# Altium PCB LimePSB-RPCM_1v5.PcbDoc (part 11 of 12) (continued)
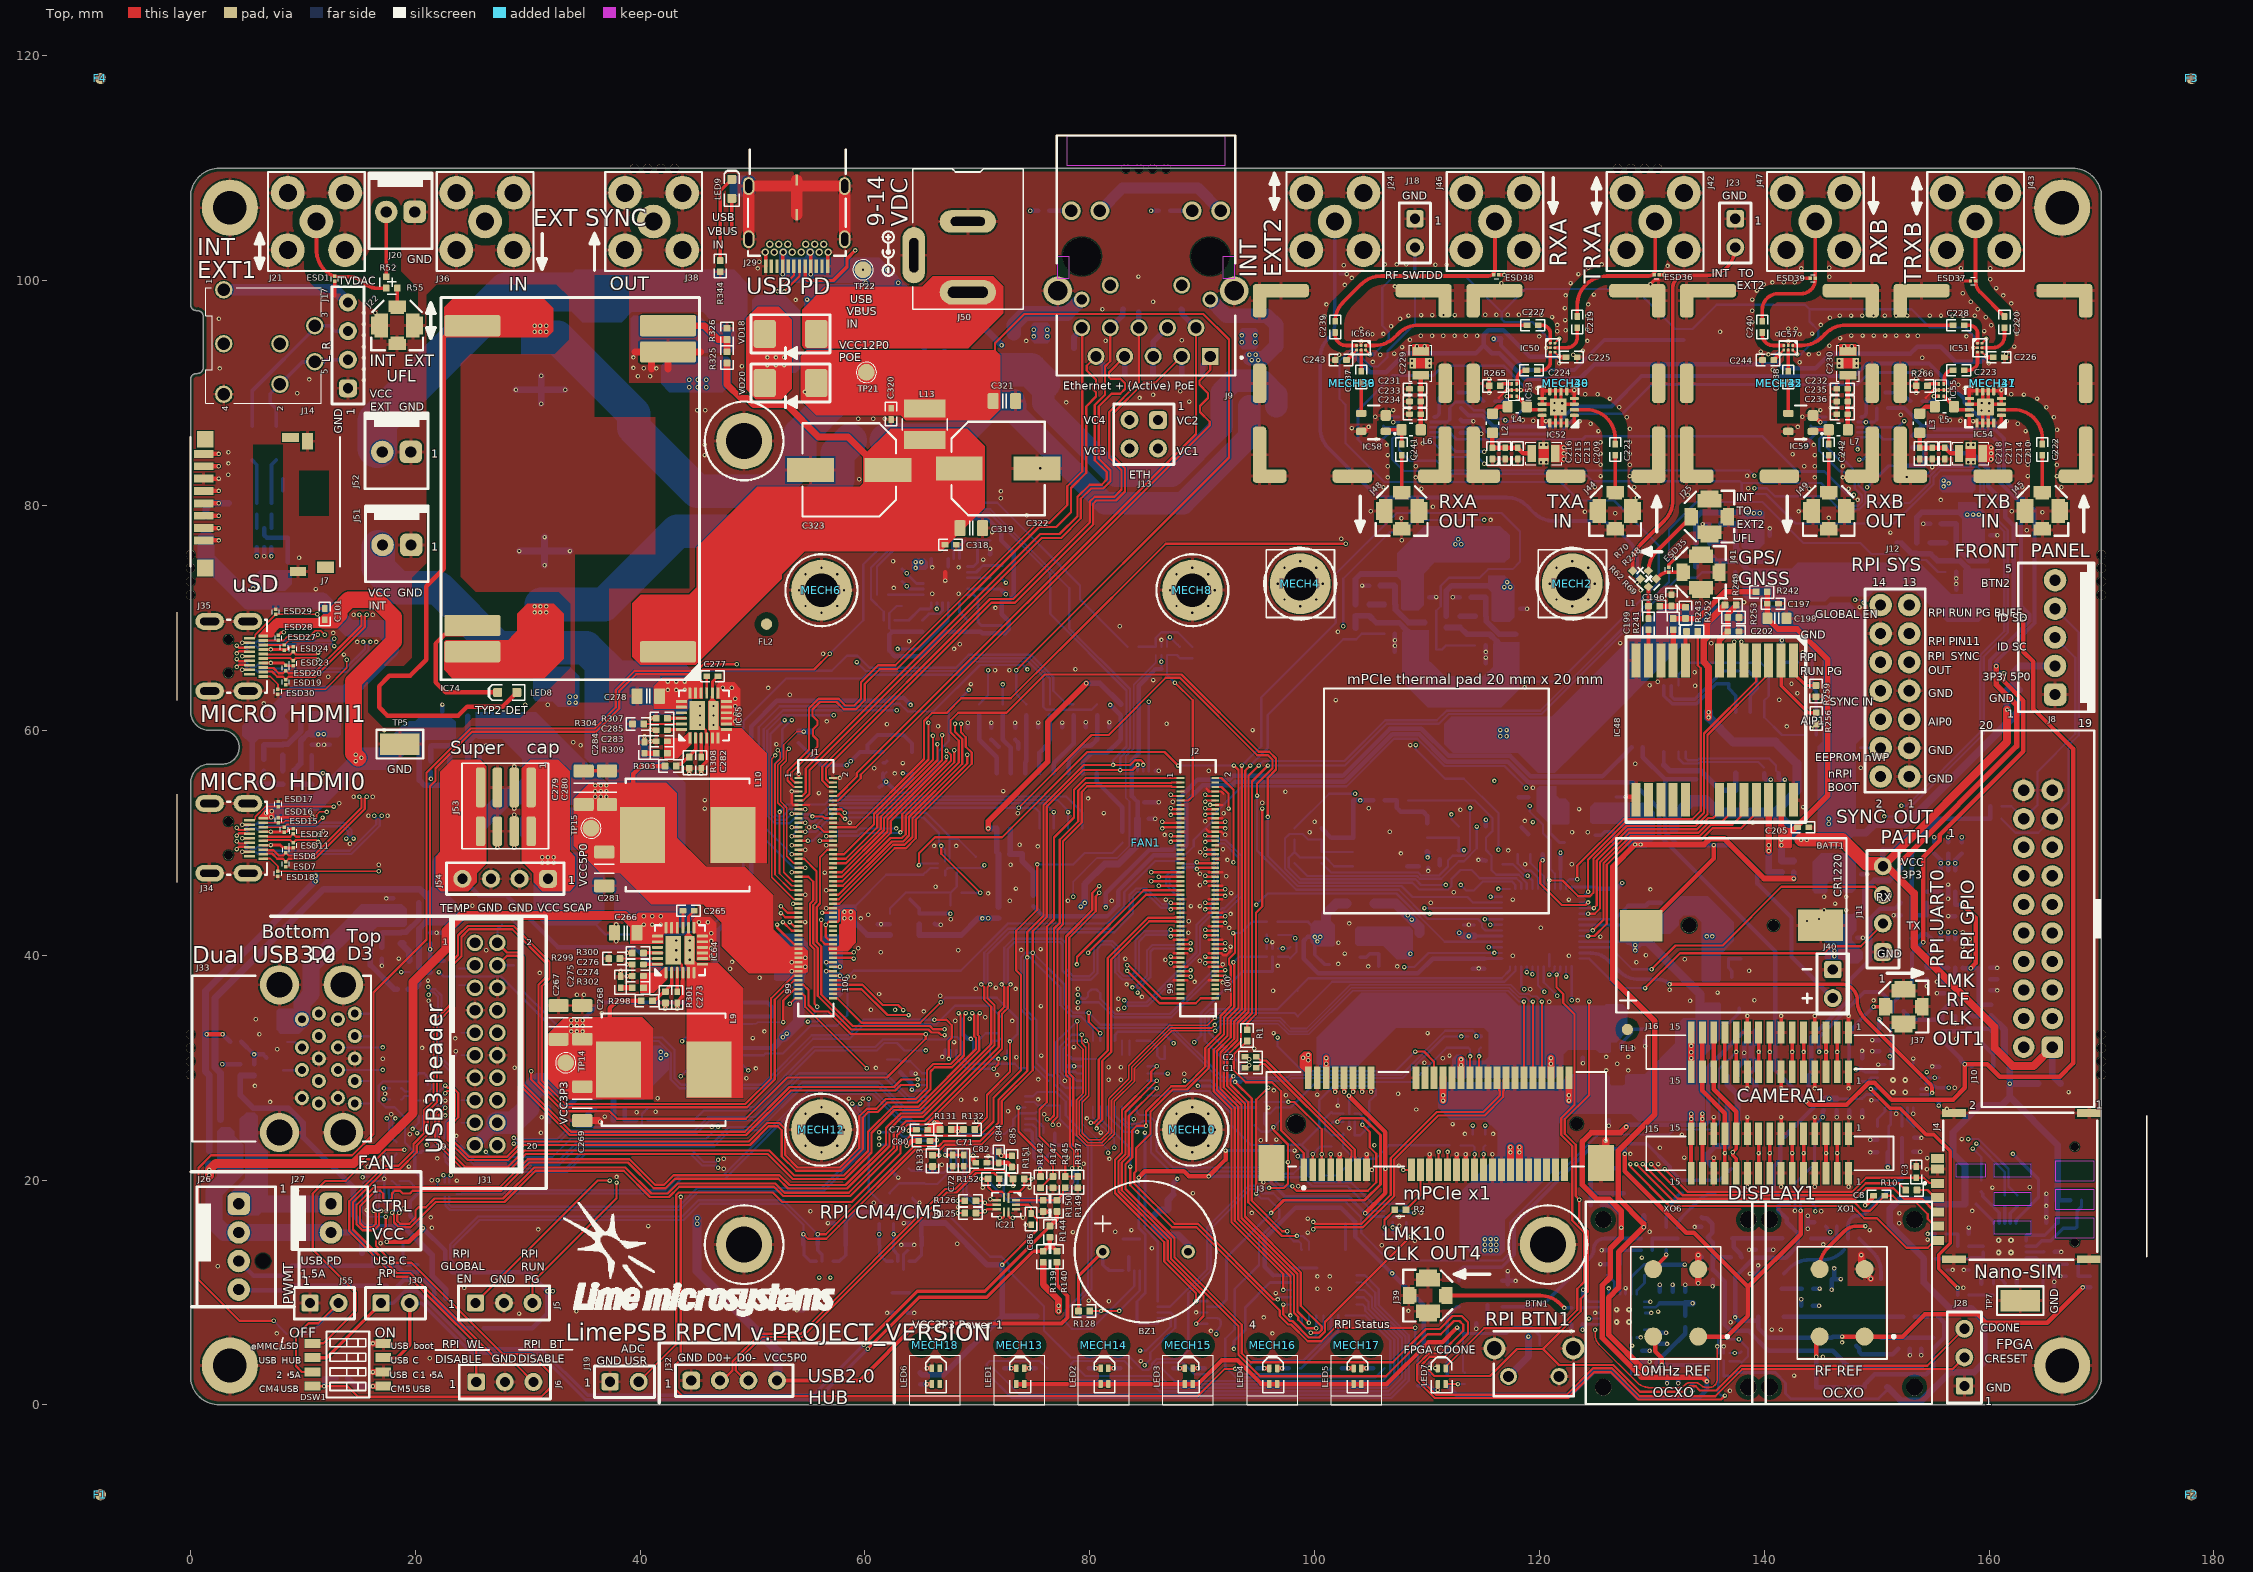
[diagram p0: Top view]
## Other copper (continued)
  pour cut-out: 127.231,76.694 127.356,76.569 cw(c125.56,74.773) 128.1,74.773 128.1,73.225 ccw(c128.7,73.225) 128.7,72.625 ccw(c128.7,73.175) 129.25,73.175 129.25,75.348 ccw(c126.71,75.348) 128.506,77.144 128.094,77.556
  region net VCC3P3: 6.152,74.252 5.35,73.45 5.35,72.55 5.475,72.425 8.425,72.425 9,73 9,74.252
  pour cut-out: 128.1,72.925
  pour cut-out: 29.1,69.75 30.025,68.825 39.525,68.825 45.4,74.7 53.598,74.7 60.573,81.675 76.575,81.675 80.225,78.025 89.225,78.025 97.9,86.7 97.9,91.025 95.775,93.15 92.65,93.15 90.408,90.908 90.408,88.175 86.404,84.171 83.529,84.171 77.9,89.799 77.9,92.975 76.775,94.1 68.5,94.1 66.294,91.894 56.852,91.894 49.129,84.171 46.854,84.171 33.85,97.175 28.975,97.175 28.375,96.575 28.375,92.9 29.05,92.225 31.8,92.225 35.738,88.288 35.737,76.113 33.975,74.35 29.85,74.35 29.1,73.6
  region net POE_IN+: 29.4,93.45 29.4,96 29.85,96.45 32.025,96.45 33.075,95.4 33.075,94.175 32.35,93.45
  region net VCC5P0_USBS: 9.675,33.025 10.55,33.9 10.55,34.8 10.1,35.25 7.85,35.25 7.65,35.05 7.65,33.35 7.975,33.025
  region net VCC5P0: 21.013,44.193 21.013,45.613 21.788,46.388 21.912,46.388 23.898,44.402 23.898,44.211
  region net VCC3P3: 129.5,40.9 129.15,40.9 128.8,40.55 128.8,40.3 128.725,40.225 128.425,40.225 128.25,40.4 128.25,40.7 128.05,40.9 128.05,41.05 129.35,41.05
  region net VCC1P2: 134.425,42 134.425,42.95 133.8,43.575 132.85,43.575 132.375,43.1 132.375,42.675 131.625,41.925 130.2,41.925 129.125,43 128.9,43 128.9,43.6 130.875,43.6 132.525,45.25 134.975,45.25 137.3,42.925 137.3,42.025
  region net VCC3P3_CLK2: 129.65,53.325 130.275,52.7 130.275,50.35 129.5,49.575 129.5,53.175
  region net VCC5P0: 121.375,56.225 123.225,58.075 122.95,58.35 117.975,58.35 117.975,58.1 119.85,56.225
  region net VCC3P3_CLK2: 129.65,51.2 129.65,49.725 129.5,49.575 128,49.575 127.613,49.962 127.613,51.087 127.725,51.2
  region net NetC296_2: 121.5,55.025 121.5,54.225 121.85,53.875 121.85,53.3 120.55,52 119.763,52.787 119.763,54.788 120,55.025
  region net VCC3P3: 136.15,34.45 136.15,32.575 134.65,31.075 133.05,31.075 132.1,32.025 132.1,33.725 132.788,34.413
  region net VCC2P5: 103.8,40.825 103.625,41 103.625,42.375 103.775,42.525 108.45,42.525 108.75,42.225 108.75,39.95 108.45,39.65 107.3,39.65 106.125,40.825
  region: 104.05,39.825
  region net VCC3P3: 101.775,40.9 101.675,40.8 100,40.8 99.65,41.15 99.65,42.725 99.975,43.05 101.425,43.05 101.775,42.7
  region net NetC296_2: 122.675,51.75 122.575,51.65 120.9,51.65 120.55,52 120.55,53.575 120.875,53.9 122.325,53.9 122.675,53.55
  region net NetIC71_3: 124.95,50.675
  region net VCC3P3_CLK2: 124.7,51.675 124.525,51.85 124.525,53.225 124.875,53.575 129.4,53.575 129.65,53.325 129.65,51.2 128.95,50.5 128.2,50.5 127.025,51.675
  region net VCC3P3: 136.05,35.75 136.15,35.65 136.15,33.975 135.8,33.625 134.225,33.625 133.9,33.95 133.9,35.4 134.25,35.75
  region net NetIC67_3: 137.125,38.025
  region net VCC1P2: 136.125,37.775 135.95,37.6 134.575,37.6 134.425,37.75 134.425,42 135.15,42.725 136.6,42.725 137.3,42.025 137.3,41.275 136.125,40.1
  region net VCC3P3_CLK: 146.562,39.6 147.2,39.6 147.5,39.3 148.375,39.3 148.775,39.7 148.775,40.325 147.55,41.55 147.275,41.55 146.562,40.837
  region net NetC47_2: 6.175,23.225 6,23.4 6,25.725 5.725,26 4.95,26 4.4,25.45 4.4,23.65 4.875,23.175 4.875,23 5.95,23
  region net VCC5P0: 38.325,31.562 38.688,31.925 41.825,31.925 42.525,31.225 42.525,29.8 41.21,28.485 39.315,28.485 38.325,29.475
  region net VCC5P0: 38.325,31.562 38.325,28.725 38.035,28.435 38.485,27.985 40.71,27.985 41.21,28.485 41.21,29.585 39.233,31.562
  region net VCC5P0_USB3H: 36.535,28.035 36.385,27.885 33.91,27.885 33.562,27.537 32.437,27.537 32.437,29.037 33.285,29.885 36.11,29.885 36.535,29.46
  region net VCC5P0_USB3H: 37.612,30.537 37.275,30.537 36.535,29.797 36.535,29.46 33.71,29.46 33.285,29.885 33.285,30.697 33.425,30.837 33.9,30.837 35.2,32.137 37.35,32.137 37.925,31.562 37.925,30.85
  region net USB_VBUS_IN: 33.725,65.65 34.575,64.8 34.575,62.35 34.35,62.125 32.675,62.125 32.2,62.6 30.725,62.6 30.475,62.85 30.475,64.575 31.55,65.65
  region net USB_VBUS_IN: 65.575,75 65.325,75.25 64.4,75.25 64.175,75.025 64.175,74.375 64.35,74.2 64.6,74.2 64.7,74.3 65.425,74.3 65.575,74.45
  region net USB_VBUS_IN: 52.375,100.6 53.15,99.825 59.625,99.825 60.375,99.075 60.375,97.7 61.925,96.15 64.975,96.15 65.675,96.15 65.825,96.3 65.825,97.475 64.575,98.725 61.25,102.05 55.775,102.05 55.5,102.325 55.5,102.65 55.275,102.875 54.95,102.875 54.775,102.7 54.775,102.25 54.575,102.05 53.375,102.05 53.1,102.325 53.1,102.65 52.875,102.875 52.575,102.875 52.375,102.675
  region net VCC_SCAP: 33.738,49.1 33.113,49.725 30.075,49.725 29.625,49.275 29.625,48.35 30.55,47.425 30.55,43.65 30.975,43.225
  region net NetF10_2: 29.325,50.65 29.325,52.225 30.225,53.125 36.75,53.125 37.275,52.6 37.275,50.325 36.35,49.4 33.75,49.4 32.875,50.275 29.7,50.275
  region net VCC_SCAP: 30.975,48.85 30.975,43.225 31.525,42.675 36.134,42.675 36.8,43.341 36.8,48.55 36.25,49.1 31.225,49.1
  region net VCC3P3: 127.8,29.425 128.725,29.425 128.925,29.225 128.925,26.65 128.175,25.9 125.9,25.9 125.075,26.725 125.075,29.075 125.4,29.4 126.05,29.4 126.25,29.2 126.25,28.55 126.425,28.375 127.425,28.375 127.625,28.575 127.625,29.275 127.775,29.425
  region net VCC3P3: 10.5,61.723 10.5,60.113 10.21,59.823 10.66,59.373 12.885,59.373 13.385,59.873 13.385,60.973 12.635,61.723
  region net VCC3P3: 111,26.45 112.075,25.375 115.2,25.375 116.275,24.3 116.275,22.25 112.9,18.875 112.9,14.475 114.05,13.325 116.575,13.325 116.912,13.662 116.913,16.463 121.7,21.25 121.7,25.025 123.65,26.975 123.65,28.1 123.05,28.7 111.5,28.7 111,28.2
  region net VCC3P3: 125.9,25.9 121.825,25.9 121.175,26.55 121.175,27.925 122.65,29.4 125.4,29.4 125.9,28.9
  region net VCC3P3: 128.175,25.9 128.85,25.225 134.625,25.225 134.7,25.3 134.7,31.275 133.825,32.15 132.1,32.15 129.375,29.425 128.725,29.425 128.175,28.875
  region net VCC3P3: 56.425,43 56.425,43.575 56.75,43.9 57.325,44.475 59.2,44.475 59.225,44.45 59.225,43.125 59.1,43
  region net VCC3P3: 12.323,59.373 13.148,59.373 13.385,59.61 13.385,60.435
  pour cut-out: 15.95,88.925
  region net ETH_VC2: 93.5,95.76 93.325,95.585 93.325,94.16 93.575,93.91 94.775,93.91 94.95,94.085 94.95,95.585 94.775,95.76
  region net ETH_VC3: 75,96.275 74.825,96.1 74.825,94.675 75.075,94.425 76.275,94.425 76.45,94.6 76.45,96.1 76.275,96.275
  region net VCC5P0: 28.5,54.75 29.775,56.025 29.9,56.025 30.025,55.9 30.025,54.15 29.1,54.15
  region net NetF9_2: 49.975,92.15 50.325,91.8 53.825,91.8 54.225,92.2 54.225,97.325 52.85,98.7 50.35,98.7 49.975,98.325
  region net VCC5P0: 145.878,65.947 143.5,68.325 133.475,68.325 123.175,58.025 112.275,58.025 111.55,58.75 111.55,60.575 112.175,61.2 121.075,61.2 130.975,71.1 145.904,71.1
  region net VCC5P0: 146.975,49.65 148.125,50.8 148.125,58.75 148.9,59.525 148.9,70.075 147.625,71.35 145.85,71.35 143.985,69.485 143.985,67.29 144.35,66.925 144.9,66.925 145.225,66.6 145.225,59.025 144.775,58.575 144.775,50.35 145.475,49.65
  region net VCC_FAN: 2.375,23.475 2.375,24.325 2.725,24.675 3.55,24.675 3.875,24.35 3.875,23.925 3.425,23.475
  region net VCC1P5: 125.575,31.6 122.575,31.6 122.125,31.15 122.125,29.775 121.4,29.05 112.4,29.05 112.225,29.225 112.225,30.775 112.6,31.15 113.05,31.15 113.575,30.625 115.15,30.625 115.475,30.95 115.475,33.125 115.05,33.55 107.25,33.55 103.7,30 100.525,30 100.2,30.325 100.2,32.7 104.15,36.65 117.025,36.65 118.175,35.5 125.775,35.5 125.9,35.625 125.9,31.925
  region net VCC1P5: 126.775,33.975
  region net GND: 47.95,107.525 50.025,107.525 50.225,107.725 50.225,109.125 50,109.35 47.95,109.35
  region net VCC5P0: 29.5,57.435 29.5,53.5 29.6,53.4 36.875,53.4 37.2,53.725 37.2,55.175 30.752,61.623 27.51,61.623 27.51,59.425
  region net VCC3P3_RPI: 56.275,40.525 56.275,41.65 56.425,41.8 57.925,41.8 58.025,41.7 58.025,40.575 57.975,40.525
  region net VCC3P3_RPI: 56.275,39.275 56.625,38.925 57.025,38.925 57.2,38.75 57.9,38.75 58.025,38.875 58.025,40.575 57.8,40.8 56.55,40.8 56.275,40.525
  region net VCC1P8_RPI: 56.45,38.775 56.275,38.6 56.275,36.55 56.55,36.275 57.75,36.275 58.025,36.55 58.025,38.3 57.825,38.5 57.1,38.5 56.825,38.775
  region net VCC5P0: 52.05,37.725 54.15,37.725 54.9,38.475 54.9,41.125 54.1,41.925 52.075,41.925 51.95,41.8 51.95,37.825
  region net VCC_INT: 37.775,49.525 37.775,54.875 35.075,57.575 35.075,65.4 35.875,66.2 40.4,66.2 43.725,66.2 44.6,65.325 44.6,62.175 43.825,61.4 40.675,61.4 40.075,60.8 40.075,59.3 44.025,55.35 44.025,48.837 38.462,48.837
  region net VCC_INT: 37.701,43.125 38.45,43.125 39.1,42.475 43.95,42.475 44.85,43.375 44.85,48.013 42.362,50.5 37.9,50.5 37.726,50.326
  region net VCC5P0_RXA_LNA: 109.698,73.94 110.706,74.948 116.927,74.948 117.35,75.371 117.35,77.35 116.525,78.175 109.75,78.175 107.35,75.775 107.35,74.788
  region net VCC5P0_RFA: 110.148,66.765 110.148,65.823 109.75,65.425 108.275,65.425 107.798,65.902 107.798,66.515
  region net VCC5P0_RFA: 107.798,66.515 107.798,64.327 110.05,62.075 116.625,62.075 118.225,63.675 118.225,65.725 115.925,65.725 115,64.8 111.575,64.8 109,67.375 108.56,67.375 107.85,66.665
  region net VCC5P0_RXB_LNA: 158.775,81.4 158.775,82.425 158.55,82.65 155.9,82.65 155.55,82.3 155.55,81.475 155.85,81.175 158.55,81.175
  region net VCC5P0_RFB: 138.085,71.987 138.572,71.5 145.425,71.5 145.875,71.95 149.3,71.95 149.725,72.375 153.5,72.375 156.225,69.65 159.075,69.65 160.073,70.648 160.073,72.265 157.815,72.265 157.65,72.1 156.625,72.1 153.825,74.9 142.975,74.9 142.447,74.372 139.357,74.372 138.085,73.1
  region net VCC3P3_SD: 8.71,59.423 8.56,59.273 6.085,59.273 5.737,58.925 5.225,58.925 4.612,59.538 4.612,60.425 5.46,61.273 8.285,61.273 8.71,60.848
  region net VCC1P5: 126.35,31.425 126.35,32.15 126.475,32.275 126.875,32.275 127.825,33.225 127.825,35.225 127.425,35.625 125.9,35.625 125.45,35.175 125.45,33.2 125.025,32.775 125.025,31.6 125.3,31.325 126.25,31.325
  region net VCC3P3_CLK: 146.875,43.525 146.875,42.8 146.75,42.675 146.35,42.675 145.4,41.725 145.4,39.725 145.525,39.6 147.6,39.6 147.775,39.775 147.775,41.75 148.2,42.175 148.2,43.35 147.925,43.625 146.975,43.625
  region net NetC287_2: 145.425,45.525 144.5,45.525 144.3,45.725 144.3,48.3 145.05,49.05 147.325,49.05 148.15,48.225 148.15,45.875 147.825,45.55 147.175,45.55 146.975,45.75 146.975,46.4 146.8,46.575 145.8,46.575 145.6,46.375 145.6,45.675 145.45,45.525
  region net VCC_FAN: 2.5,18.35 4.675,20.525 4.675,23.125 3.875,23.925 3.125,23.925 3.125,20.25 2.5,19.625
  region net NetC47_2: 5.1,23.225 4.875,23 4.875,20.175 3.3,18.6 3.3,16.95 3.375,16.875 6.05,16.875 6.875,17.7 6.875,22.525 6.175,23.225
  region net VCC_INT: 48.1,92.925 48.1,90.875 47.325,90.1 42.6,90.1 41.875,90.825 41.875,92.45 42.65,93.225 47.8,93.225
  region net NetFR15_1: 39.15,96.65 39.15,93.8 39.35,93.6 42.5,93.6 48.075,93.6 48.45,93.975 48.45,95.525 47.8,96.175 45.95,96.175 45.25,96.875 39.375,96.875
  region net VCC_EXT: 49.525,96.5 46.3,96.5 45.575,97.225 39.25,97.225 38.35,96.325 34.85,96.325 33.7,97.475 33.7,100.45 34.225,100.975 48.35,100.975 49.525,99.8
  region net VCC5P0_HDMI: 23.585,59.323 23.435,59.173 20.96,59.173 20.612,58.825 19.487,58.825 19.487,60.325 20.335,61.173 23.16,61.173 23.585,60.748
  region net VCC5P0: 25.375,61.623 25.375,60.013 25.085,59.723 25.535,59.273 27.76,59.273 28.26,59.773 28.26,60.873 27.51,61.623
  region net VCC_USB_PD: 54.6,99.2 54.6,94.075 55.4,93.275 56.5,93.275 60.15,96.925 60.15,99.075 59.525,99.7 55.1,99.7
  region net VCC5P0: 21.013,44.998 21.013,43.388 20.723,43.098 21.173,42.648 23.398,42.648 23.898,43.148 23.898,44.248 23.148,44.998
  region net VCC5P0_USBS: 19.223,42.698 19.073,42.548 16.598,42.548 16.25,42.2 14.475,42.2 14.475,43.825 15.198,44.548 18.798,44.548 19.223,44.123
  region net VCC5P0_RFA: 118.225,67.86 116.615,67.86 116.325,68.15 115.875,67.7 115.875,65.475 116.375,64.975 117.475,64.975 118.225,65.725
  region net VCC5P0_TXB_PA: 157.773,76.19 157.623,76.34 157.623,78.815 157.275,79.163 157.275,80.288 158.775,80.288 159.623,79.44 159.623,76.615 159.198,76.19
  region net VCC5P0_RFB: 160.073,74.4 158.463,74.4 158.173,74.69 157.723,74.24 157.723,72.015 158.223,71.515 159.323,71.515 160.073,72.265
  region net VCC5P0_RFB: 140.435,74.372 138.825,74.372 138.535,74.663 138.085,74.213 138.085,71.987 138.585,71.487 139.685,71.487 140.435,72.237
  region net VCC5P0_RXB_LNA: 138.135,76.162 137.985,76.312 137.985,78.788 137.637,79.136 137.637,79.65 139.748,79.65 139.985,79.413 139.985,76.587 139.56,76.162
  region net VCC5P0_TXA_PA: 115.925,69.65 115.775,69.8 115.775,72.275 115.427,72.623 115.427,73.748 116.927,73.748 117.775,72.9 117.775,70.075 117.35,69.65
  region net VCC5P0_RXA_LNA: 107.848,70.69 107.698,70.84 107.698,73.315 107.35,73.663 107.35,74.788 108.85,74.788 109.698,73.94 109.698,71.115 109.273,70.69
  region net VCC5P0_RFA: 110.148,68.9 108.538,68.9 108.248,69.19 107.798,68.74 107.798,66.515 108.298,66.015 109.398,66.015 110.148,66.765
MultiLayer:
  pour cut-out: 158.8,105.275 158.8,107.4 158.55,107.4 ccw(c158.537,105.538) 156.675,105.55 156.675,105.275
  pour cut-out: 158.8,105.275 158.8,107.4 159.05,107.4 cw(c159.063,105.538) 160.925,105.55 160.925,105.275
  pour cut-out: 160.925,105.025 cw(c159.675,105.025) 159.675,103.775 158.8,103.775 158.8,105.275 160.925,105.275
  pour cut-out: 156.675,105.025 ccw(c157.925,105.025) 157.925,103.775 158.8,103.775 158.8,105.275 156.675,105.275
  pour cut-out: 26.2,105.275 28.325,105.275 28.325,105.525 ccw(c26.463,105.538) 26.475,107.4 26.2,107.4
  pour cut-out: 26.2,105.275 28.325,105.275 28.325,105.025 cw(c26.463,105.012) 26.475,103.15 26.2,103.15
  pour cut-out: 25.95,103.15 cw(c25.95,104.4) 24.7,104.4 24.7,105.275 26.2,105.275 26.2,103.15
  pour cut-out: 25.95,107.4 ccw(c25.95,106.15) 24.7,106.15 24.7,105.275 26.2,105.275 26.2,107.4
  pour cut-out: 11.2,105.275 11.2,107.4 10.95,107.4 ccw(c10.937,105.538) 9.075,105.55 9.075,105.275
  pour cut-out: 11.2,105.275 11.2,107.4 11.45,107.4 cw(c11.463,105.538) 13.325,105.55 13.325,105.275
  pour cut-out: 13.325,105.025 cw(c12.075,105.025) 12.075,103.775 11.2,103.775 11.2,105.275 13.325,105.275
  pour cut-out: 9.075,105.025 ccw(c10.325,105.025) 10.325,103.775 11.2,103.775 11.2,105.275 9.075,105.275
  pour cut-out: 41.2,105.275 41.2,107.4 40.95,107.4 ccw(c40.937,105.538) 39.075,105.55 39.075,105.275
  pour cut-out: 41.2,105.275 41.2,107.4 41.45,107.4 cw(c41.463,105.538) 43.325,105.55 43.325,105.275
  pour cut-out: 43.325,105.025 cw(c42.075,105.025) 42.075,103.775 41.2,103.775 41.2,105.275 43.325,105.275
  pour cut-out: 39.075,105.025 ccw(c40.325,105.025) 40.325,103.775 41.2,103.775 41.2,105.275 39.075,105.275
  pour cut-out: 144.55,105.275 144.55,107.4 144.3,107.4 ccw(c144.287,105.538) 142.425,105.55 142.425,105.275
  pour cut-out: 144.55,105.275 144.55,107.4 144.8,107.4 cw(c144.813,105.538) 146.675,105.55 146.675,105.275
  pour cut-out: 146.675,105.025 cw(c145.425,105.025) 145.425,103.775 144.55,103.775 144.55,105.275 146.675,105.275
  pour cut-out: 142.425,105.025 ccw(c143.675,105.025) 143.675,103.775 144.55,103.775 144.55,105.275 142.425,105.275
  pour cut-out: 130.352,105.275 130.352,107.4 130.102,107.4 ccw(c130.089,105.538) 128.227,105.55 128.227,105.275
  pour cut-out: 130.352,105.275 130.352,107.4 130.602,107.4 cw(c130.614,105.538) 132.477,105.55 132.477,105.275
  pour cut-out: 132.477,105.025 cw(c131.227,105.025) 131.227,103.775 130.352,103.775 130.352,105.275 132.477,105.275
  pour cut-out: 128.227,105.025 ccw(c129.477,105.025) 129.477,103.775 130.352,103.775 130.352,105.275 128.227,105.275
  pour cut-out: 116.05,105.275 116.05,107.4 115.8,107.4 ccw(c115.787,105.538) 113.925,105.55 113.925,105.275
  pour cut-out: 116.05,105.275 116.05,107.4 116.3,107.4 cw(c116.313,105.538) 118.175,105.55 118.175,105.275
  pour cut-out: 118.175,105.025 cw(c116.925,105.025) 116.925,103.775 116.05,103.775 116.05,105.275 118.175,105.275
  pour cut-out: 113.925,105.025 ccw(c115.175,105.025) 115.175,103.775 116.05,103.775 116.05,105.275 113.925,105.275
  pour cut-out: 101.8,105.275 101.8,107.4 101.55,107.4 ccw(c101.537,105.538) 99.675,105.55 99.675,105.275
  pour cut-out: 101.8,105.275 101.8,107.4 102.05,107.4 cw(c102.063,105.538) 103.925,105.55 103.925,105.275
  pour cut-out: 103.925,105.025 cw(c102.675,105.025) 102.675,103.775 101.8,103.775 101.8,105.275 103.925,105.275
  pour cut-out: 99.675,105.025 ccw(c100.925,105.025) 100.925,103.775 101.8,103.775 101.8,105.275 99.675,105.275

## Silkscreen, mask and mechanical layers (free items; w line width, h text height)
TopOverlay:
  drawing of 2470 lines, arcs and shapes, not listed
  text "GND" at 107.775,107.2 h0.7
  text "GND" at 136.275,107.2 h0.7
  text "USB" at 46.425,105.275 h0.7
  text "1" at 110.675,105 h0.7
  text "1" at 139.175,105 h0.7
  text "EXT SYNC" at 30.5,104.85 h1.5
  text "9-14" at 62.2,104.825 h2.5 r90
  text "VDC" at 64.275,104.825 h2.5 r90
  text "VBUS" at 46.025,104.05 h0.7
  text "IN" at 46.45,102.85 h0.7
  text "INT" at 0.575,102.275 h1.5
  text "GND" at 19.275,101.575 h0.7
  text "RXA" at 122.425,101.25 h1.5 r90
  text "RXB" at 150.925,101.25 h1.5 r90
  text "EXT2" at 97.025,100.3 h1.5 r90
  text "INT" at 135.35,100.3 h0.7
  text "TO" at 137.75,100.3 h0.7
  text "INT" at 94.85,100.25 h1.5 r90
  text "EXT1" at 0.6,100.225 h1.5
  text "RF" at 106.275,100.12 h0.7
  text "SW" at 107.8,100.12 h0.7
  text "TDD" at 109.35,100.125 h0.7
  text "TRXA" at 125.45,99.75 h1.5 r90
  text "TRXB" at 153.95,99.75 h1.5 r90
  text "TVDAC" at 13.15,99.625 h0.7
  text "EXT2" at 137.55,99.225 h0.7
  text "OUT" at 37.275,99.15 h1.2
  text "IN" at 28.325,99.125 h1.2
  text "USB PD" at 49.45,98.325 h2.5
  text "USB" at 58.675,98 h0.7
  text "VBUS" at 58.375,96.925 h0.7
  text "IN" at 58.4,95.825 h0.7
  text "VCC12P0" at 57.725,93.925 h0.7
  text "R" at 12.45,93.85 h0.7 r90
  text "POE" at 57.725,92.85 h0.7
  text "L" at 12.425,92.75 h0.7 r90
  text "EXT" at 19.025,92.4 h1
  text "INT" at 15.925,92.375 h1
  text "UFL" at 17.475,91 h1
  text "Ethernet + (Active) PoE" at 77.65,90.3 h0.7
  text "VCC" at 15.95,89.6 h0.7
  text "1" at 87.825,88.475 h0.7
  text "EXT" at 16,88.45 h0.7
  text "GND" at 18.575,88.45 h0.7
  text "1" at 14.625,88.05 h0.7 r90
  text "VC4" at 79.475,87.225 h0.7
  text "VC2" at 87.725,87.175 h0.7
  text "GND" at 13.475,86.375 h0.7 r90
  text "VC1" at 87.75,84.5 h0.7
  text "VC3" at 79.5,84.475 h0.7
  text "1" at 21.4,84.275 h0.7
  text "ETH" at 83.525,82.375 h0.7
  text "INT" at 137.525,80.4 h0.7
  text "RXA" at 111.05,79.775 h1.2
  text "TXA" at 120.7,79.775 h1.2
  text "RXB" at 149.05,79.775 h1.2
  text "TXB" at 158.7,79.775 h1.2
  text "TO" at 137.575,79.2 h0.7
  text "OUT" at 111.05,78.05 h1.2
  text "IN" at 121.25,78.05 h1.2
  text "OUT" at 149.05,78.05 h1.2
  text "IN" at 159.25,78.05 h1.2
  text "EXT2" at 137.575,78 h0.7
  text "UFL" at 137.25,76.725 h0.7
  text "1" at 21.425,76 h0.7
  text "PANEL" at 163.725,75.4 h1.2
  text "FRONT" at 156.95,75.375 h1.2
  text "GPS/" at 137.7,74.8 h1.2
  text "RPI SYS" at 147.725,74.15 h1.2
  text "5" at 161.425,74.025 h0.7
  text "GNSS" at 137.7,72.9 h1.2
  text "14" at 149.6,72.825 h0.7
  text "13" at 152.325,72.825 h0.7
  text "BTN2" at 159.3,72.75 h0.7
  text "uSD" at 3.7,72.275 h1.5
  text "VCC" at 15.8,71.9 h0.7
  text "GND" at 18.425,71.9 h0.7
  text "INT" at 15.85,70.75 h0.7
  text "RPI RUN PG BUFF" at 154.575,70.111 h0.7
  text "GLOBAL EN" at 144.525,69.975 h0.7
  text "ID SD" at 160.725,69.65 h0.7
  text "GND" at 143.229,68.136 h0.7
  text "RPI PIN11" at 154.575,67.568 h0.7
  text "ID SC" at 160.725,67.107 h0.7
  text "RPI" at 154.55,66.225 h0.7
  text "SYNC" at 156.6,66.225 h0.7
  text "RPI" at 143.175,66.15 h0.7
  text "OUT" at 154.575,65 h0.7
  text "RUN PG" at 143.225,64.925 h0.7
  text "3P3/ 5P0" at 159.45,64.4 h0.7
  text "mPCIe thermal pad 20 mm x 20 mm" at 102.925,64.1 h0.9
  text "GND" at 154.575,62.957 h0.7
  text "GND" at 160.025,62.507 h0.7
  text "SYNC IN" at 145.85,62.2 h0.7
  text "TYP2-DET" at 25.35,61.425 h0.7
  text "1" at 161.625,61.125 h0.7
  text "MICRO" at 0.85,60.725 h1.5
  text "HDMI1" at 8.775,60.725 h1.5
  text "AIP1" at 143.229,60.507 h0.7
  text "AIP0" at 154.575,60.414 h0.7
  text "19" at 167.95,60.275 h0.7
  text "20" at 159.15,60.125 h0.7
  text "cap" at 29.925,57.925 h1.2
  text "Super" at 23.125,57.9 h1.2
  text "GND" at 154.575,57.871 h0.7
  text "EEPROM nWP" at 144.525,57.25 h0.7
  text "GND" at 17.5,56.175 h0.7
  text "nRPI" at 145.689,55.775 h0.7
  text "GND" at 154.575,55.329 h0.7
  text "MICRO" at 0.8,54.675 h1.5
  text "HDMI0" at 8.725,54.675 h1.5
  text "BOOT" at 145.649,54.575 h0.7
  text "2" at 149.925,53.125 h0.7
  text "1" at 152.775,53.125 h0.7
  text "SYNC" at 146.4,51.725 h1.2
  text "OUT" at 151.525,51.7 h1.2
  text "1" at 156.349,50.499 h0.7
  text "PATH" at 150.35,49.925 h1.2
  text "VCC" at 152.2,47.925 h0.7
  text "3P3" at 152.224,46.825 h0.7
  text "1" at 33.6,46.325 h0.7
  text "VCC5P0" at 35.275,46.1 h0.7 r90
  text "CR1220" at 146.9,45.175 h0.7 r90
  text "RX" at 149.975,44.8 h0.7
  text "GND" at 25.557,43.85 h0.7
  text "GND" at 28.25,43.85 h0.7
  text "VCC" at 30.85,43.85 h0.7
  text "SCAP" at 33.175,43.85 h0.7
  text "TEMP" at 22.2,43.825 h0.7
  text "TX" at 152.7,42.275 h0.7
  text "Bottom" at 6.35,41.525 h1.2
  text "Top" at 13.9,41.125 h1.2
  text "GND" at 150.055,39.791 h0.7
  text "D2" at 10.675,39.55 h1.2
  text "D3" at 13.925,39.55 h1.2
  text "RPI GPIO" at 158.675,39.5 h1.2 r90
  text "Dual USB3.0" at 0.15,39.3 h1.5
  text "RPI UART0" at 155.95,38.95 h1.2 r90
  text "1" at 150.2,37.55 h0.7
  text "LMK" at 155.3,37.15 h1.2
  text "RF" at 156.175,35.475 h1.2
  text "CLK" at 155.3,33.825 h1.2
  text "OUT1" at 155,32 h1.2
  text "CAMERA1" at 137.575,26.925 h1.2
  text "1" at 169.5,26.325 h0.7
  text "2" at 158.225,26.3 h0.7
  text "VCC3P3" at 33.55,24.925 h0.7 r90
  text "USB3 header" at 22.45,22.35 h1.5 r90
  text "FAN" at 14.875,20.95 h1.2
  text "1" at 7.95,18.875 h0.7
  text "1" at 16.1,18.875 h0.7
  text "mPCIe x1" at 107.875,18.25 h1.2
  text "DISPLAY1" at 136.775,18.25 h1.2
  text "CTRL" at 16.125,17.2 h1
  text "RPI CM4/CM5" at 55.975,16.55 h1.2
  text "VCC" at 16.15,14.675 h1
  text "LMK10" at 106.1,14.65 h1.2
  text "RPI" at 23.325,13.1 h0.7
  text "RPI" at 29.4,13.1 h0.7
  text "OUT4" at 110.275,12.9 h1.2
  text "CLK" at 106.1,12.875 h1.2
  text "USB C" at 16.275,12.475 h0.7
  text "USB PD" at 9.825,12.45 h0.7
  text "GLOBAL" at 22.25,11.975 h0.7
  text "RUN" at 29.4,11.95 h0.7
  text "T" at 9.15,11.825 h0.9 r90
  text "RPI" at 16.75,11.35 h0.7
  text "1.5A" at 9.8,11.325 h0.7
  text "Nano-SIM" at 158.675,11.275 h1.2
  text "EN" at 23.675,10.85 h0.7
  text "GND" at 26.675,10.825 h0.7
  text "PG" at 29.75,10.825 h0.7
  text "1" at 10.025,10.65 h0.7
  text "1" at 16.525,10.65 h0.7
  text "PWM" at 9.125,8.9 h0.9 r90
  text "1" at 22.926,8.575 h0.7
  text "GND" at 166.15,8.125 h0.7 r90
  text "RPI BTN1" at 115.2,7.05 h1.2
  text "RPI Status" at 101.725,6.8 h0.7
  text "VCC3P3 Power" at 64.2,6.75 h0.7
  text "1" at 71.7,6.75 h0.7
  text "4" at 94.2,6.75 h0.7
  text "CDONE" at 159.275,6.5 h0.7
  text "OFF" at 8.775,5.95 h0.9
  text "ON" at 16.375,5.95 h0.9
  text "LimePSB RPCM v.PROJECT_VERSION" at 33.375,5.15 h2.6
  text "RPI" at 29.65,5.05 h0.7
  text "BT" at 31.95,5.05 h0.7
  text "RPI" at 22.375,5.025 h0.7
  text "WL" at 24.575,5.025 h0.7
  text "eMMC" at 5.4,4.921 h0.6
  text "uSD" at 8.025,4.926 h0.6
  text "USB" at 17.8,4.925 h0.6
  text "boot" at 19.85,4.925 h0.6
  text "FPGA" at 160.65,4.925 h0.9
  text "ADC" at 38.325,4.65 h0.7
  text "FPGA CDONE" at 107.925,4.537 h0.7
  text "GND" at 43.35,3.85 h0.7
  text "D0+" at 45.95,3.85 h0.7
  text "D0-" at 48.6,3.85 h0.7
  text "VCC5P0" at 51.025,3.85 h0.7
  text "CRESET" at 159.625,3.75 h0.7
  text "GND" at 26.775,3.725 h0.7
  text "DISABLE" at 29.175,3.725 h0.7
  text "DISABLE" at 21.75,3.7 h0.7
  text "USB" at 6.05,3.65 h0.6
  text "HUB" at 8.125,3.65 h0.6
  text "USB" at 17.825,3.65 h0.6
  text "C" at 19.75,3.65 h0.6
  text "GND" at 36.15,3.575 h0.7
  text "USR" at 38.625,3.575 h0.7
  text "10MHz REF" at 128.275,2.6 h0.9
  text "RF REF" at 144.475,2.6 h0.9
  text "2" at 7.675,2.375 h0.6
  text "5A" at 8.775,2.375 h0.6
  text "USB" at 17.725,2.375 h0.6
  text "C" at 19.775,2.375 h0.6
  text "1" at 20.45,2.375 h0.6
  text "5A" at 21.475,2.375 h0.6
  text "USB2.0" at 54.925,1.975 h1.2
  text "1" at 35.016,1.625 h0.7
  text "1" at 42.175,1.5 h0.7
  text "1" at 23,1.488 h0.7
  text "GND" at 159.75,1.15 h0.7
  text "CM4" at 6.125,1.13 h0.6
  text "USB" at 8.025,1.125 h0.6
  text "CM5" at 17.825,1.105 h0.6
  text "USB" at 19.775,1.1 h0.6
  text "HUB" at 54.975,0.075 h1.2
  text "1" at 159.65,-0.025 h0.7
BottomOverlay:
  circle w0.2: c49.25,85.75 r3.5
  circle w0.2: c49.25,14.25 r3.5
  circle w0.2: c120.75,14.25 r3.5
  circle w0.2: c89.125,72.475 r3.5
  circle w0.2: c89.125,24.475 r3.5
  circle w0.2: c56.125,24.475 r3.5
  circle w0.2: c56.125,72.475 r3.5
  region: 162.793,90.374 169.75,90.374 169.75,101.026 162.793,101.026
  lines w0.15: 95.687,70.038 95.687,76.063 101.762,76.063 101.762,70.038 95.687,70.038 ; 119.887,70.038 119.887,76.063 125.962,76.063 125.962,70.038 119.887,70.038
  text "SCL" at 77.725,71.7 h0.7 r270
  text "SDA" at 79.475,69.55 h0.7 r270
  text "RPI I2C0" at 80.65,68.9 h0.7 r270
  text "CSN" at 111.7,55.9 h0.7
  text "GND" at 118.55,55.375 h0.7
  text "DAC" at 151.425,51.2 h0.7 r270
  text "BOM" at 121.225,50.9 h0.7
  text "TCXO" at 152.525,50.55 h0.7 r270
  text "SI" at 117.15,49.325 h0.7
  text "VCC3P3" at 132.675,49.05 h0.7
  text "GND" at 47.55,48.4 h0.7
  text "CLK2" at 132.65,47.875 h0.7
  text "2" at 118.325,47.45 h0.7
  text "1" at 119.3,47.45 h0.7
  text "0" at 120.525,47.45 h0.7
  text "SCK" at 113.05,46.725 h0.7
  text "SO" at 113.675,44.475 h0.7
  text "VCC1P2" at 138.35,42.725 h0.7
  text "VCC2P5" at 112.625,39.275 h0.7
  text "VCC3P3" at 151.375,38.025 h0.7
  text "CLK" at 149.275,36.9 h0.7
  text "SDA" at 97.2,36.525 h0.7
  text "VCC1P5" at 129.325,36.175 h0.7
  text "I2C" at 99.7,34.9 h0.7 r270
  text "FPGA" at 100.8,34.5 h0.7 r270
  text "SCL" at 97.2,34.225 h0.7
  text "EXP" at 77.5,34.125 h0.7 r270
  text "GBP7" at 74.975,32.75 h0.7 r270
  text "GBP6" at 74.95,29.6 h0.7 r270
TopSolder:
  drawing of 26 lines, arcs and shapes, not listed
BottomSolder:
  region: 53.525,102.425 54.325,102.425 54.325,102.625 53.525,102.625
  region: 51.05,102.825 51.6,103.375 53.05,103.375 53.6,102.825 53.6,102.62 53.355,102.375 51.295,102.375 51.05,102.62
  region: 56.8,102.825 56.25,103.375 54.8,103.375 54.25,102.825 54.25,102.62 54.495,102.375 56.555,102.375 56.8,102.62